# KiCad board WeatherStation.kicad_pcb
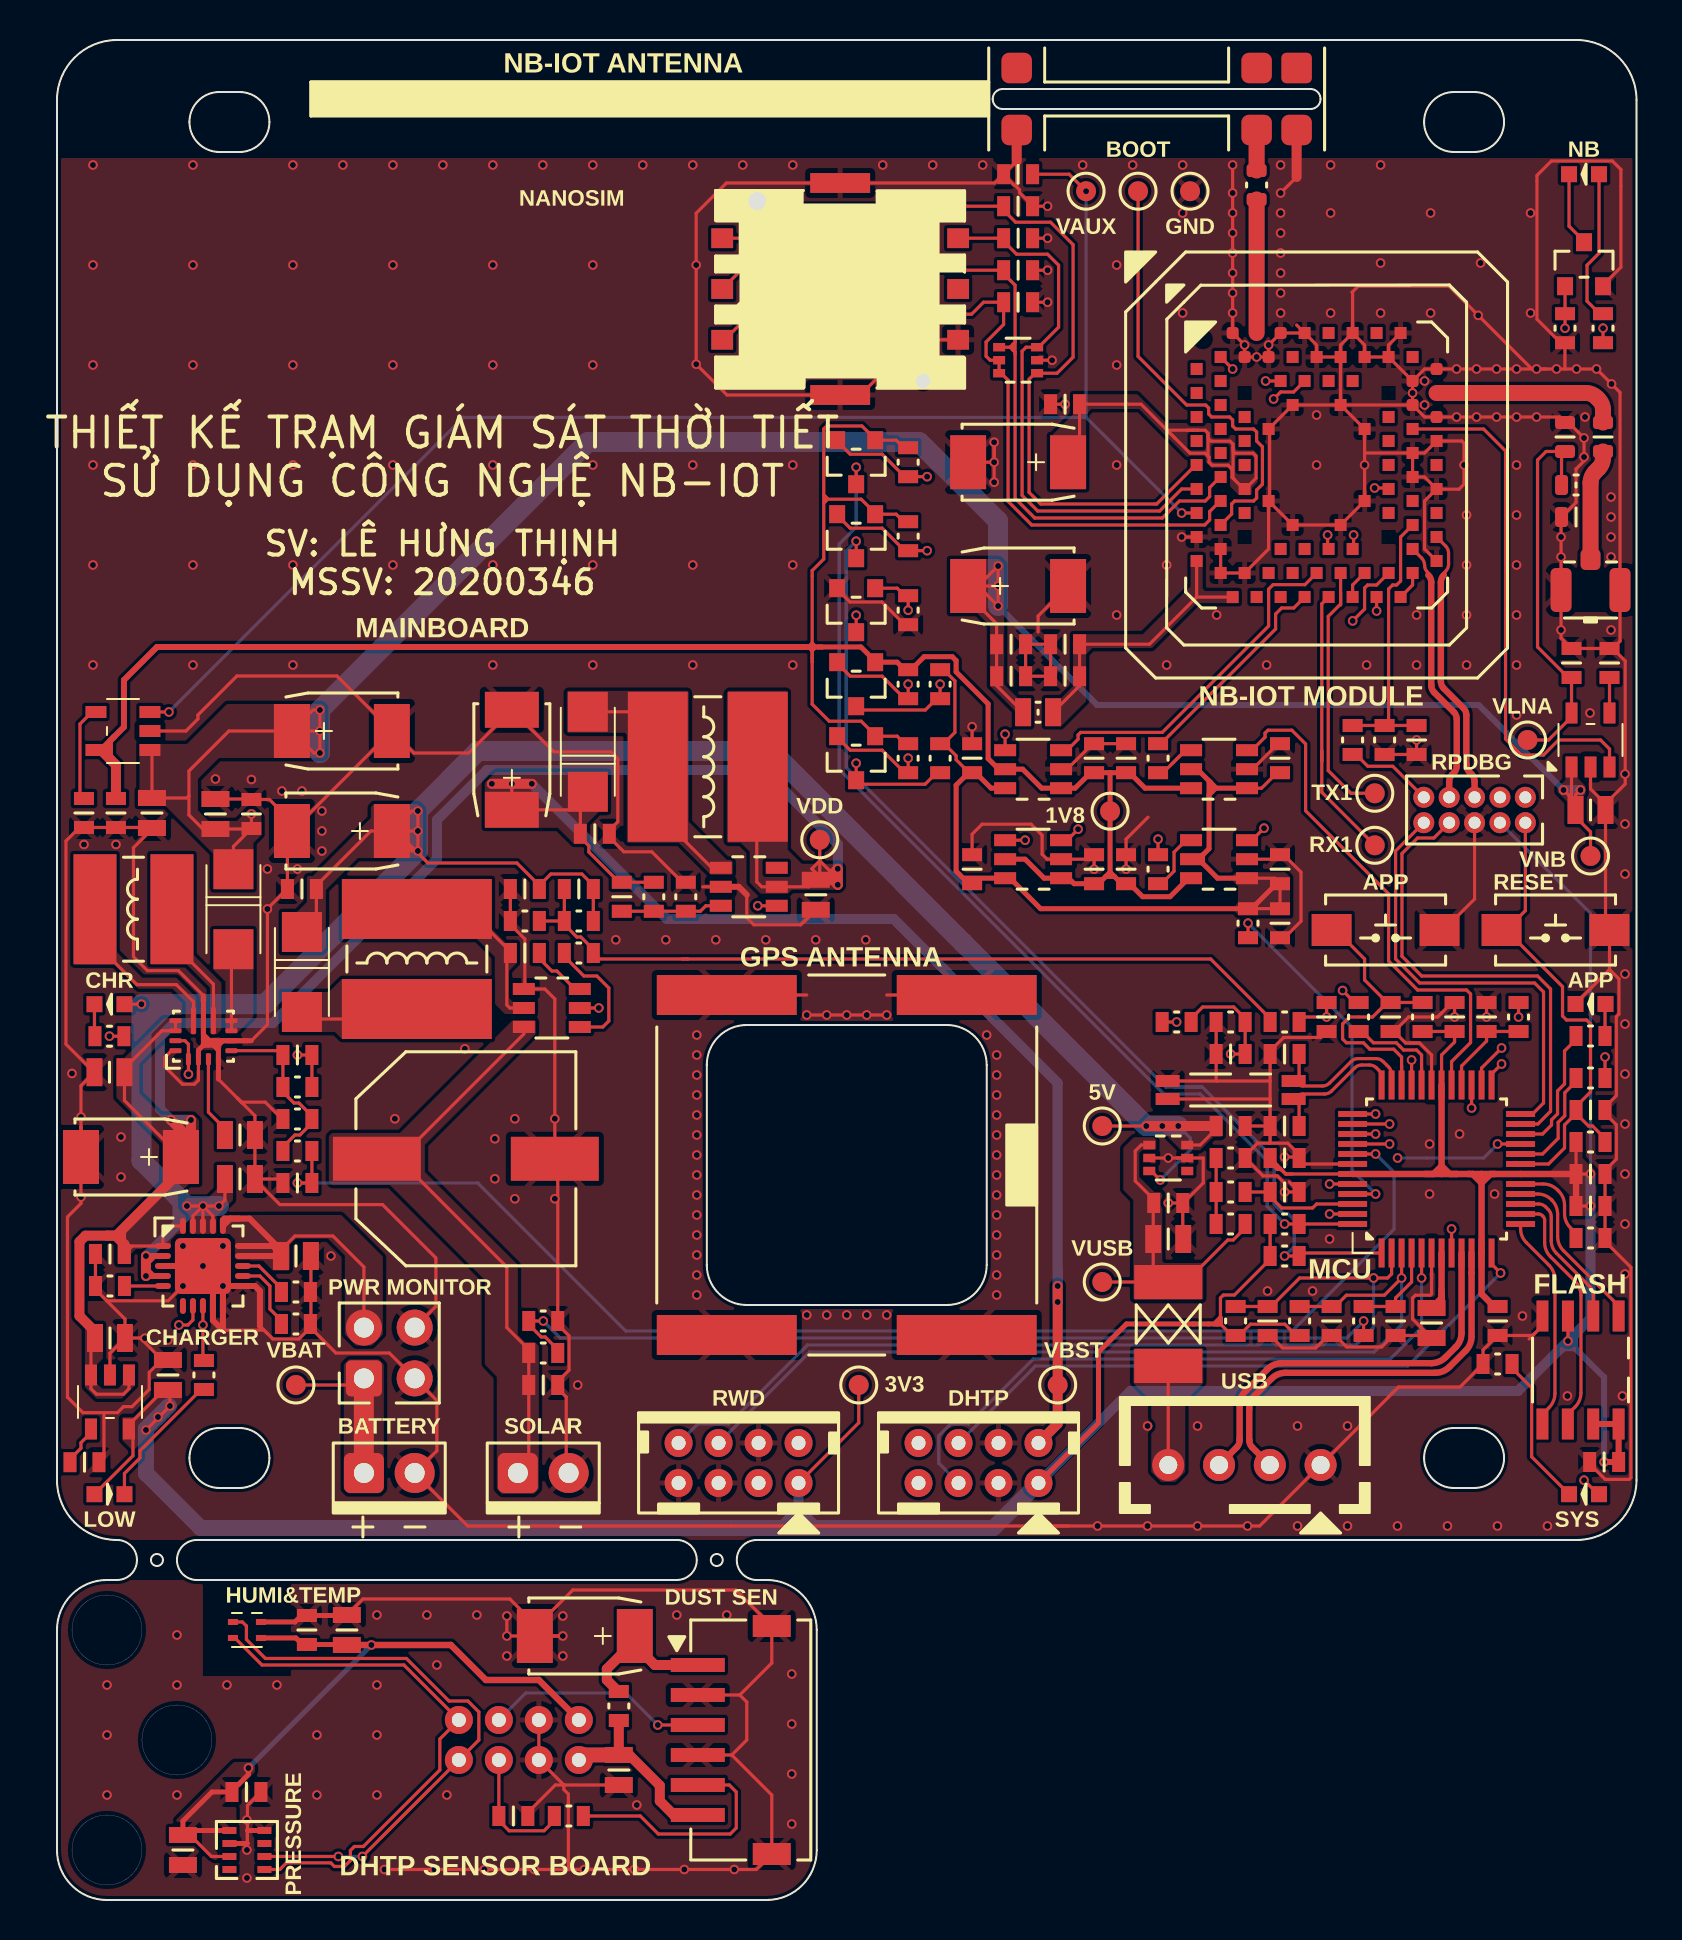
[diagram p0: board, top side]
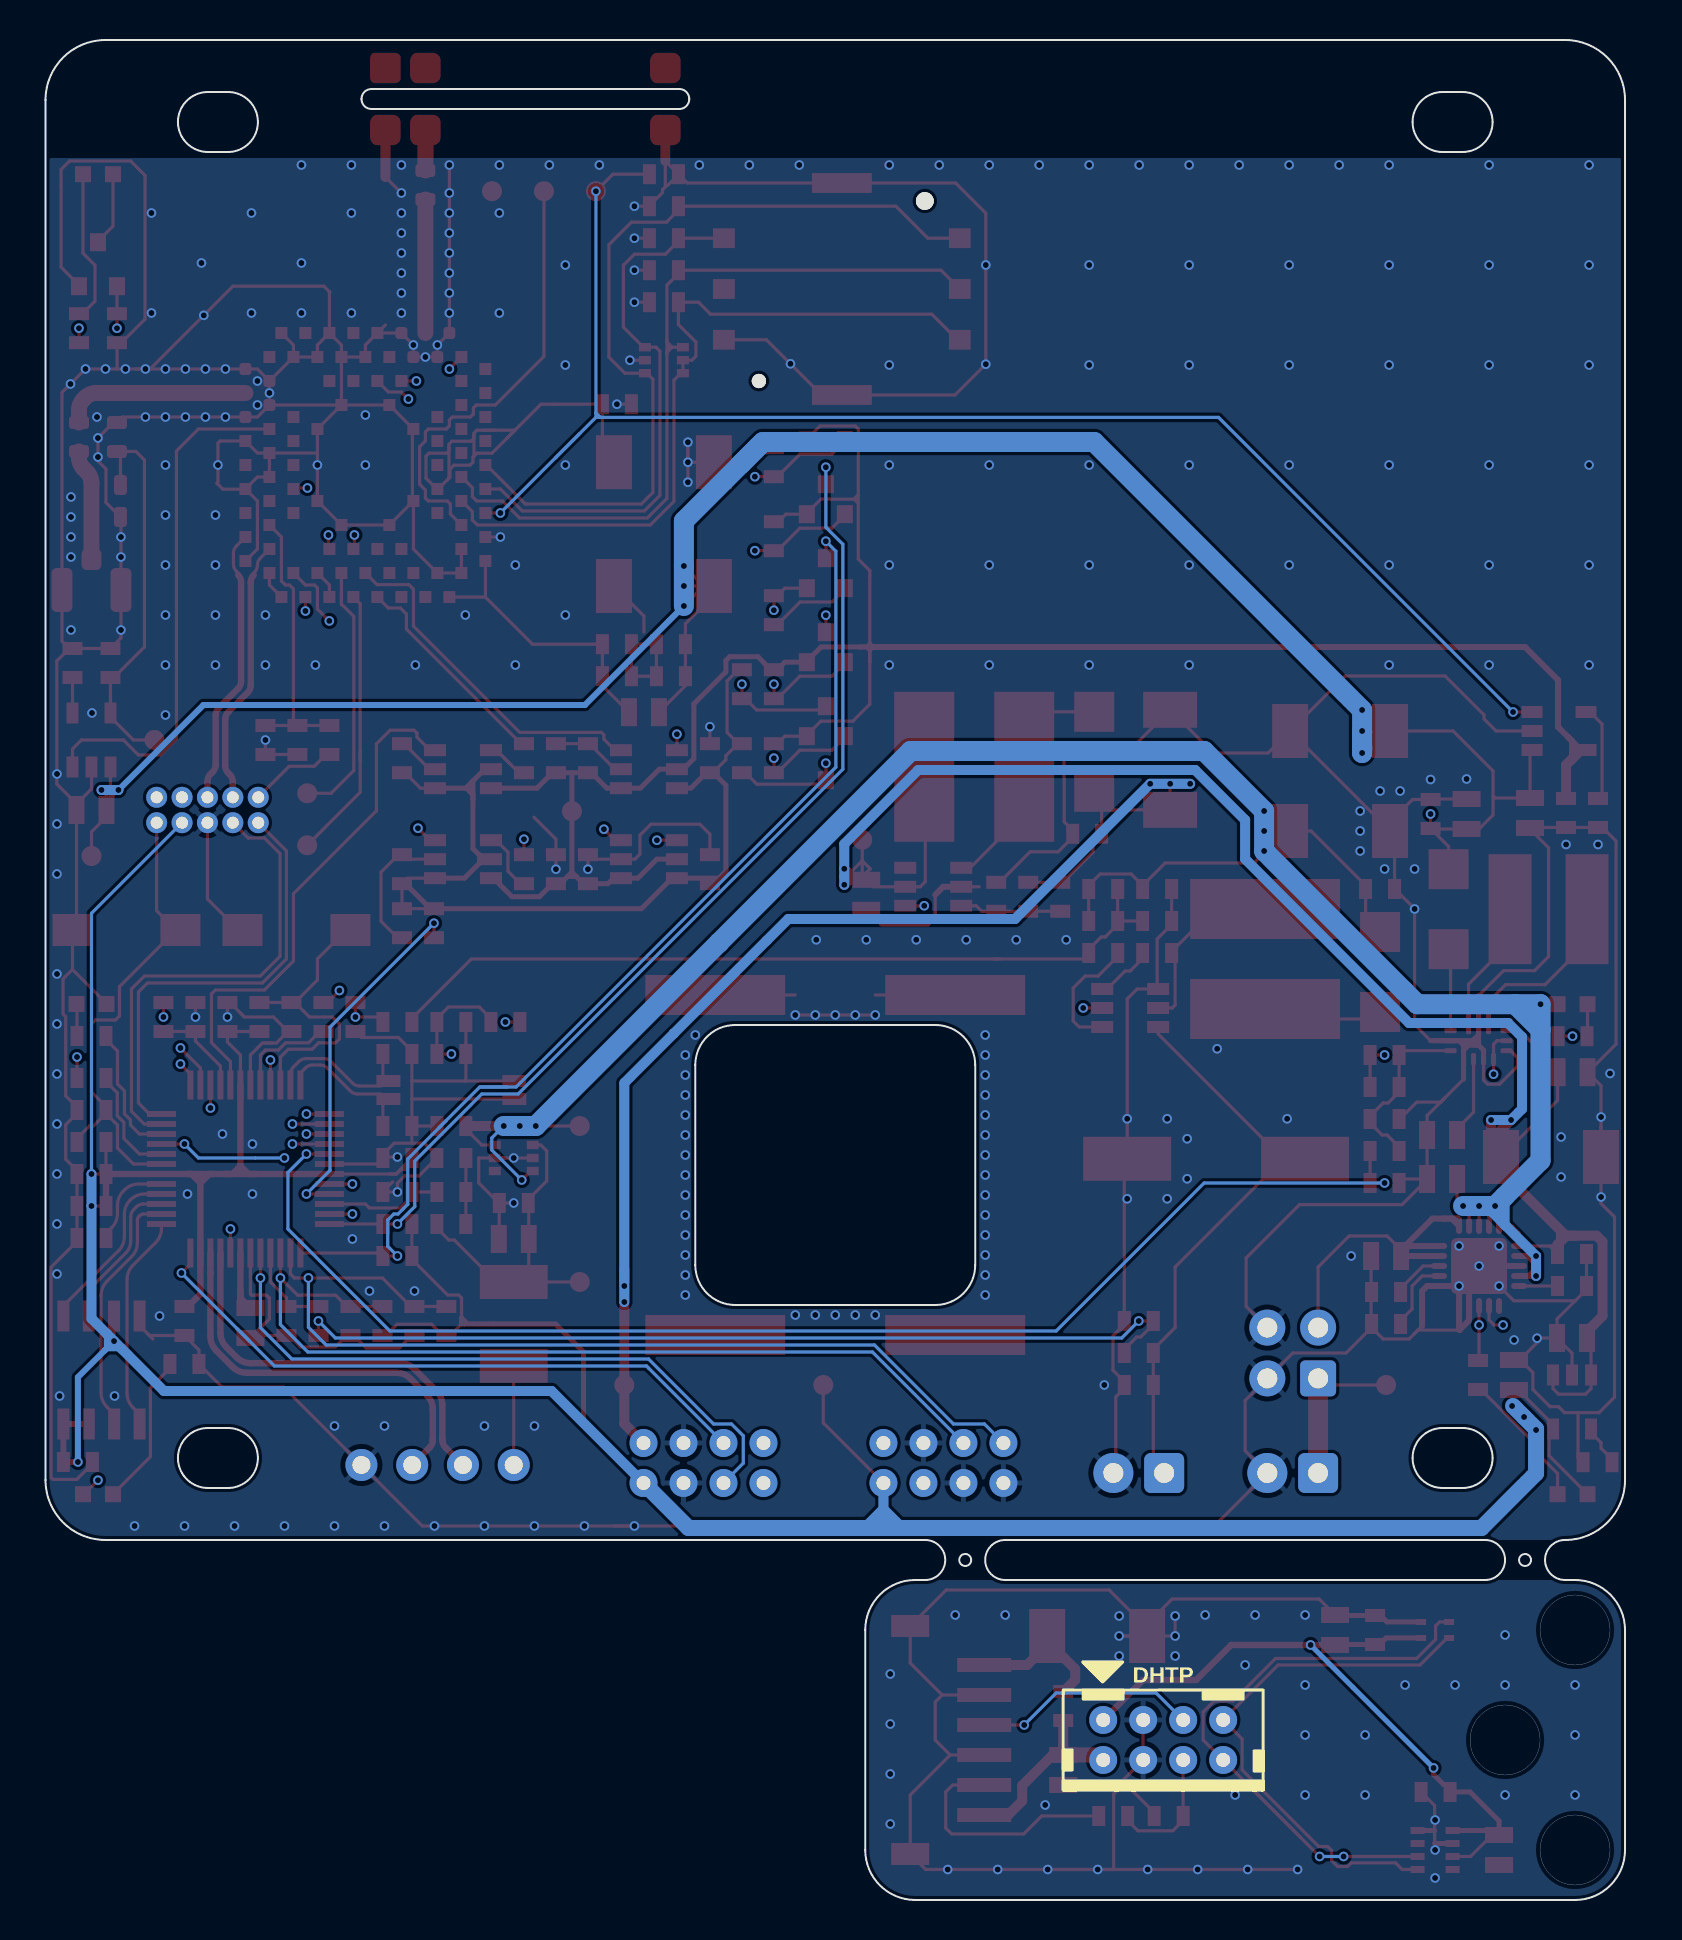
[diagram p1: board, bottom side, seen from below]

Outline 79 x 93 mm; copper layers: Top, In1.Cu, In2.Cu, Bottom. Coordinates in mm from the lower left corner of the outline.
Outline path: circle c2.5,13.5 r1.75 ; circle c2.5,2.5 r1.75 ; circle c5,17 r0.3 ; circle c6,8 r1.75 ; circle c33,17 r0.3 ; 0,90 arc(0.88,92.12) 3,93 76,93 arc(78.12,92.12) 79,90 79,21 arc(78.12,18.88) 76,18 35,18 arc(34,17) 35,16 35.5,16 arc(37.27,15.27) 38,13.5 38,2.5 arc(37.27,0.73) 35.5,0 2.5,0 arc(0.73,0.73) 0,2.5 0,13.5 arc(0.73,15.27) 2.5,16 3,16 arc(4,17) 3,18 arc(0.88,18.88) 0,21 0,90 ; 6.62,88.9 arc(7.06,89.96) 8.12,90.4 9.12,90.4 arc(10.19,89.96) 10.62,88.9 arc(10.19,87.84) 9.13,87.4 8.12,87.4 arc(7.06,87.84) 6.62,88.9 ; 6.62,22.1 arc(7.06,23.16) 8.12,23.6 9.12,23.6 arc(10.19,23.16) 10.62,22.1 arc(10.19,21.04) 9.13,20.6 8.12,20.6 arc(7.06,21.04) 6.62,22.1 ; 7,18 31,18 arc(32,17) 31,16 7,16 arc(6,17) 7,18 ; 32.5,41.75 32.5,31.75 arc(33.09,30.34) 34.5,29.75 44.5,29.75 arc(45.91,30.34) 46.5,31.75 46.5,41.75 arc(45.91,43.17) 44.5,43.75 34.5,43.75 arc(33.09,43.17) 32.5,41.75 ; 46.8,90.05 arc(46.95,90.4) 47.3,90.55 62.7,90.55 arc(63.05,90.4) 63.2,90.05 arc(63.05,89.7) 62.7,89.55 47.3,89.55 arc(46.95,89.7) 46.8,90.05 ; 68.38,88.9 arc(68.81,89.96) 69.87,90.4 70.88,90.4 arc(71.94,89.96) 72.38,88.9 arc(71.94,87.84) 70.88,87.4 69.88,87.4 arc(68.81,87.84) 68.38,88.9 ; 68.38,22.1 arc(68.81,23.16) 69.87,23.6 70.88,23.6 arc(71.94,23.16) 72.38,22.1 arc(71.94,21.04) 70.88,20.6 69.88,20.6 arc(68.81,21.04) 68.38,22.1
Stack: Top 0.035mm / dielectric 0.1mm FR4 er 4.5 / In1.Cu 0.035mm / dielectric 1.24mm FR4 er 4.5 / In2.Cu 0.035mm / dielectric 0.1mm FR4 er 4.5 / Bottom 0.035mm

## Placement (name value [footprint] x y rotation side)
ANT1  0.9-1.8GHz  [AH3G.303]  55 91.6 180 top
ANT2  UFL  [U.FL]  76.7 65.5 180 top
BAT1  BATTERY  [PAD02_2.54TH]  16.62 21.35 0 top
BT1  RESET  [SW_SMD2_6.0x3.5]  74.95 48.5 0 top
BT2  APP  [SW_SMD2_6.0x3.5]  66.45 48.5 0 top
C1  100nF  [CAP0603]  24.32 25.75 0 top
C2  10uF  [CAP0805]  2.62 41.39 180 top
C3  10uF  [CAP0805]  9.15 38.25 0 top
C4  100pF  [CAP0603]  66.95 28.95 270 top
C5  470uF  [CAP_ELEC-10.3x10.3-DIA10]  20.45 37.06 0 top
C6  100nF  [CAP0603]  55.58 34.85 0 top
C7  10uF  [CAP0805]  55.58 33.05 0 top
C8  2.2uF  [CAP0603]  23.4 47.35 0 top
C9  100pF  [CAP0603]  61.4 35.4 0 top
C10  100pF  [CAP0603]  12.02 42.25 180 top
C11  100pF  [CAP0603]  26.1 50.55 180 top
C12  100nF  [CAP0603]  58.7 38.7 0 top
C13  100pF  [CAP0603]  12.02 35.85 180 top
C14  10uF  [CAP0805]  9.15 36.05 0 top
C15  100pF  [CAP0603]  63.5 44.15 270 top
C16  100nF  [CAP0603]  9.72 54.3 90 top
C17  100nF  [CAP0603]  12.25 50.55 180 top
C18  10uF  [CAP0805]  7.92 54.3 90 top
C19  220uF  [CAP2312-6032]  14.25 58.45 0 top
C20  220uF  [CAP2312-6032]  14.25 53.45 180 top
C21  10uF  [CAP0805]  11.95 32.2 0 top
C22  10uF  [CAP0805]  2.65 28.1 0 top
C23  100pF  [CAP0603]  58.7 42.3 180 top
C24  10uF  [CAP0805]  5.55 26.25 90 top
C25  100nF  [CAP0603]  2.65 32.3 180 top
C26  220uF  [CAP2312-6032]  3.7 37.15 180 top
C27  100nF  [CAP0603]  77.38 21.9 180 top
C28  8.2pF  [CAP0603]  61.4 42.3 180 top
C29  8.2pF  [CAP0603]  61.4 38.7 180 top
C30  10uF  [CAP0805]  68.75 28.85 270 top
C31  2.2uF  [CAP0603]  76.7 34.7 180 top
C32  22pF  [CAP0603]  76.7 39.5 0 top
C33  22pF  [CAP0603]  76.7 36.3 0 top
C34  100nF  [CAP0603]  61.4 37.1 0 top
C35  22pF  [CAP0603]  66.7 44.15 270 top
C36  2.2uF  [CAP0603]  69.9 44.15 90 top
C37  22pF  [CAP0603]  72.05 28.95 270 top
C38  22pF  [CAP0603]  48.07 83.09 0 top
C39  2.2uF  [CAP0603]  61.17 48.84 90 top
C40  22pF  [CAP0603]  48.07 84.69 0 top
C41  100nF  [CAP0603]  61.17 51.54 90 top
C42  100nF  [CAP0603]  45.77 51.54 90 top
C43  22pF  [CAP0603]  48.07 81.49 0 top
C44  2.2uF  [CAP0603]  48.07 79.89 180 top
C45  22pF  [CAP0603]  68 58 270 top
C46  100nF  [CAP0603]  53.47 51.54 90 top
C47  100nF  [CAP0603]  51.87 51.54 90 top
C48  22pF  [CAP0603]  50.42 74.79 180 top
C49  220uF  [CAP2312-6032]  48.07 71.89 180 top
C50  2.2uF  [CAP0603]  50.42 62.79 0 top
C51  22pF  [CAP0603]  48.07 86.29 180 top
C52  22pF  [CAP0603]  50.42 61.19 180 top
C53  22pF  [CAP0603#2]  77.32 73.15 270 top
C54  22pF  [CAP0603]  47.72 61.19 0 top
C55  2.2uF  [CAP0603]  47.72 62.79 180 top
C56  22pF  [CAP0603#2]  75.97 69.15 180 top
C57  220uF  [CAP2312-6032]  48.07 65.7 0 top
C58  100nF  [CAP0603]  23.4 50.55 180 top
C59  22pF  [CAP0603#2]  75.42 73.15 90 top
C60  2.2uF  [CAP0603]  75.75 61.85 270 top
C61  100nF  [CAP0603]  77.65 61.85 90 top  (not fitted)
C62  10uF  [CAP0805]  76.7 54.5 180 top
C63  10uF  [CAP0805]  28.1 6.5 270 top
C64  10uF  [CAP0805]  37.95 50.26 270 top
C65  220uF  [CAP2312-6032]  26.4 13.2 180 top
C66  100nF  [CAP0603]  12.5 13.5 90 top
C67  10uF  [CAP0805]  14.5 13.5 90 top
C68  100pF  [CAP0603]  28.25 50.16 270 top
C69  100pF  [CAP0603]  22.83 4.2 0 top
C70  100nF  [CAP0603]  26.9 53.31 0 top
C71  22pF  [CAP0603]  63.75 28.95 270 top
C72  220uF  [CAP2312-6032]  22.75 57.01 90 top
C73  22pF  [CAP0603]  60.55 28.95 270 top
C74  100nF  [CAP0603]  9.47 5.4 0 top
C75  10uF  [CAP0805]  6.3 2.5 270 top
C76  100nF  [CAP0603]  51.87 57.09 90 top  (not fitted)
C77  100nF  [CAP0603]  53.47 57.09 90 top  (not fitted)
C78  100nF  [CAP0603]  45.77 57.09 90 top  (not fitted)
C79  100nF  [CAP0603]  61.17 57.09 90 top  (not fitted)
C80  10uF  [CAP0805]  4.75 54.35 90 top
C81  100nF  [CAP0603]  1.37 21.89 0 top  (not fitted)
C82  100nF  [CAP0603]  1.35 54.35 270 top  (not fitted)
C83  2.2uF  [CAP0603]  2.95 54.35 90 top
C84  100pF  [CAP0603]  71.5 44.15 90 top
D1  2A/0.5VF  [DO-214AC]  8.82 49.54 90 top
D2  2A/0.5VF  [DO-214AC]  12.25 46.4 90 top
D3  LOW  [LED0603]  2.62 20.29 180 top
D4  CHR  [LED0603]  2.62 44.79 0 top
D5  APP  [LED0603]  76.7 44.8 0 top
D6  TVS-5CH  [SOT363]  48.07 76.99 90 top
D7  NB  [LED0603]  76.37 86.29 0 top
D8  2A/0.5VF  [DO-214AC]  26.55 57.41 270 top
D9  SYS  [LED0603]  76.37 20.29 0 top
F1  750mA/6.3V  [FUSE1812]  55.58 28.8 90 top
FT1  100R@100MHz  [IND0805]  49.07 59.39 180 top
J1  USB  [HDM-4x2.54-TH]  59.39 21.75 180 top
J2  SOLAR  [PAD02_2.54TH]  24.32 21.35 0 top
J3  PWR MONITOR  [DIL04_2.54_MTH]  16.62 27.35 90 top
J4  RPDBG  [DIL10_1.27_MTH]  70.9 54.5 180 top
J5  NANOSIM  [SIM8051-6-0-14-01-A_GCT]  39.17 80.55 270 top
J6  DHTP  [HDM-2x4x2.0-TH-RA#2]  23.1 8 180 bottom
J7  DHTP  [HDM-2x4x2.0-TH-RA#2]  46.09 21.85 180 top
J8  RWD  [HDM-2x4x2.0-TH-RA]  34.09 21.85 180 top
L1  2.2uH/3A  [IND5852]  3.82 49.54 90 top
L2  10uH/3A  [IND7870]  18 47.05 0 top
L3  47nH  [IND0603]  75.97 70.75 180 top
L4  10uH/3A  [IND7870]  32.55 56.66 270 top
MD1  NB-IoT MODULE  [xE310]  63 71.75 0 top
MD2  GPS ACTIVE ANTENNA  [1575R-A]  39.5 36.75 90 top
Q1  30V/3.6A  [SOT23]  76.37 81.79 0 top
Q2  30V/3.6A  [SOT23]  39.97 64.49 180 top
Q3  30V/3.6A  [SOT23]  39.97 60.79 180 top  (not fitted)
Q4  30V/3.6A  [SOT23]  39.97 57.09 180 top  (not fitted)
Q5  30V/3.6A  [SOT23]  39.97 71.89 180 top  (not fitted)
Q6  30V/3.6A  [SOT23]  39.97 68.19 180 top  (not fitted)
R1  1K  [RES0603]  65.35 28.95 270 top
R2  5.1K, 1%  [RES0603]  24.32 27.35 180 top
R3  10K, 1%  [RES0603]  24.32 28.95 0 top
R4  10K, 1%  [RES0603]  58.7 37.1 0 top
R5  5.1K, 1%  [RES0603]  58.7 33.8 0 top
R6  1K  [RES0603]  58.7 35.4 180 top
R7  75K, 1%  [RES0603]  26.1 47.35 180 top
R8  36K, 1%  [RES0603]  12.02 40.65 180 top
R9  10K, 1%  [RES0603]  12.02 39.05 180 top
R10  1K  [RES0603]  12.02 37.45 180 top
R11  53.6K, 1%  [RES0603]  26.1 48.95 180 top
R12  10K, 1%  [RES0603]  23.4 48.95 180 top
R13  1K  [RES0603]  61.4 43.9 180 top
R14  1K  [RES0603]  7.35 26.25 90 top
R15  1K  [RES0603]  2.62 43.19 180 top
R16  10K, 1%  [RES0603]  11.95 30.4 0 top
R17  100K, 1%  [RES0603]  11.95 28.8 0 top
R18  10K, 1%  [RES0603]  2.65 30.7 180 top
R19  680K, 1%  [RES0603]  56 43.9 0 top
R20  10K, 1%  [RES0603]  58.7 43.9 180 top
R21  0R  [RES0603]  76.7 33.1 180 top
R22  10K, 1%  [RES0603]  76.7 37.9 0 top
R23  5.1K, 1%  [RES0603]  61.4 33.8 180 top
R24  5.1K, 1%  [RES0603]  61.4 32.2 180 top
R25  10K, 1%  [RES0603]  68.3 44.15 90 top
R26  1K  [RES0603]  76.7 43.2 0 top
R27  0R  [RES0603]  59.57 48.84 90 top
R28  1K  [RES0603]  76.7 41.1 180 top
R29  0R  [RES0603]  64.8 58 90 top
R30  10K, 1%  [RES0603]  66.4 58 270 top
R31  1K  [RES0603]  55.07 51.54 270 top
R32  1K  [RES0603]  77.32 78.59 90 top
R33  150R  [RES0603]  28.1 9.7 90 top
R34  75K, 1%  [RES0603]  29.85 50.16 270 top
R35  10K, 1%  [RES0603]  31.45 50.16 90 top
R36  1K  [RES0603]  25.6 4.2 0 top
R37  150K, 1%  [RES0603]  62.15 28.95 90 top
R38  150K, 1%  [RES0603]  58.95 28.95 90 top
R39  1K  [RES0603]  55.07 57.09 270 top  (not fitted)
R40  1K  [RES0603]  65.1 44.15 270 top  (not fitted)
R41  100K, 1%  [RES0603]  75.42 78.59 90 top
R42  100K, 1%  [RES0603]  42.57 64.49 90 top
R43  100K, 1%  [RES0603]  42.57 60.79 90 top  (not fitted)
R44  100K, 1%  [RES0603]  42.57 57.09 90 top  (not fitted)
R45  100K, 1%  [RES0603]  44.17 60.79 90 top  (not fitted)
R46  100K, 1%  [RES0603]  44.17 57.09 90 top  (not fitted)
R47  5.1K, 1%  [RES0603]  42.57 68.19 90 top  (not fitted)
R48  5.1K, 1%  [RES0603]  42.57 71.89 90 top  (not fitted)
R49  1K  [RES0603]  73.1 44.15 90 top
R50  1K  [RES0603]  72.05 26.8 180 top
TP1  VUSB  [TP1MM]  52.28 30.9 0 top
TP2  VNB  [TP1MM]  76.7 52.2 0 top
TP3  5V  [TP1MM]  52.28 38.7 0 top
TP4  3V3  [TP1MM]  40.1 25.75 0 top
TP5  VBAT  [TP1MM]  11.95 25.75 0 top
TP6  GND  [TP1MM]  56.67 85.44 0 top
TP7  VDD  [TP1MM]  38.15 53.01 0 top
TP8  1V8  [TP1MM]  52.67 54.44 0 top
TP9  VLNA  [TP1MM]  73.55 58 0 top
TP10  VBST  [TP1MM]  50.05 25.75 0 top
TP11  TX1  [TP1MM]  65.91 55.34 0 top
TP12  RX1  [TP1MM]  65.91 52.74 0 top
TP13  BOOT  [TP1MM]  54.07 85.44 0 top
TP14  VAUX  [TP1MM]  51.47 85.44 0 top
U1  BUCK 5V  [SOT-23-6_MCHP]  24.75 44.6 270 top
U2  BUCK-BOOST 3.8V  [PowerVQFN15_TI]  7.32 43.19 90 top
U3  IDEAL DIODE  [SOT363]  55.58 37.1 270 top
U4  CHARGER & PWR SWITCH  [VQFN20-4x4_MCHP]  7.3 31.7 0 top
U5  LDO 3.3V/300mA  [SOT25_DIODES]  2.65 24.9 180 top
U6  SPI Memory  [SOIC8_3.9_MCHP]  76.2 26.5 180 top
U7  PIC32MM MCU  [TQFP48-7x7_MCHP]  69 36.55 90 top
U8  LEVEL SHIFT 1-CH  [SOT-23-6_MCHP]  58.12 52.04 90 top
U9  LEVEL SHIFT 1-CH  [SOT-23-6_MCHP]  48.82 52.04 90 top
U10  LDO 3.3V/300mA  [SOT25_DIODES]  76.7 58 0 top
U11  DUST SENSOR CONNECTOR  [HDM-6x1.5-SMD-RA]  33.7 8 270 top
U12  HUMI & TEMP  [SHT4x]  9.5 13.5 0 top
U13  BOOST 5V  [SOT-23-6_MCHP]  34.6 50.66 270 top
U14  PRESSURE SENSOR  [DPS368]  9.5 2.5 0 top
U15  LEVEL SHIFT 1-CH  [SOT-23-6_MCHP]  48.82 56.54 90 top  (not fitted)
U16  LEVEL SHIFT 1-CH  [SOT-23-6_MCHP]  58.12 56.54 90 top  (not fitted)
U17  LDO 1.8V/300mA  [SOT25_DIODES]  3.3 58.45 90 top
X1  32.768kHz  [SMD4-7015]  58.7 40.5 180 top
Z1  0R  [RES0603#2]  60 85.75 90 top

## Library data of the parts
ANT1 = -: Description: ANTENNA SMD 2G/3G/4G 690~2700MHz; MFT: AntennaHome; MNP: AH3G.303; Price: 0; Stock Link: https://www.thegioiic.com/ah3g-303-ang-ten-smd-2g-3g-4g-690-2700mhz
ANT2 = -: Description: CONN U.FL RCPT STR 50 OHM SMD; MFT: Hirose; MNP: U.FL-R-SMT-1(40); Price: 0.070; Stock Link: https://www.thegioiic.com/cong-rf-1th-ipex-u-fl-r-smt-2-chan-dan-smd
BAT1 = -: Description: BATT LI-ION 3.7V 5AH 65x55x9.5MM; Price: 4.09; Stock Link: https://vn.shp.ee/jGCB1Gh; MFT: OEM; MNP: LC14500
BT1 BT2 = -: Description: SWITCH TACTILE SPST-NO 0.05A 12V; MFT: Panasonic; MNP: EVQ-PE105K; Price: 0.022; Stock Link: https://www.thegioiic.com/nut-nhan-3x6mm-cao-5mm-2-chan-smd-dau-trang
C1 C6 C12 C16 C17 C25 C27 C34 C41 C42 C46 C47 C58 C61 C66 C70 C74 C76-C79 C81 C82 = -: Description: CAP CER 0.1UF 25V X7R 0603; MNP: CL10B104KA8NNNC; Price: 0.0083; Stock Link: https://www.thegioiic.com/tu-gom-0603-100nf-0-1uf-25v; MFT: Samsung
C2 C3 C7 C14 C18 C21 C22 C24 C30 C62-C64 C67 C75 C80 = -: Description: CAP CER 10UF 16V X5R 0805; MNP: CL21A106KOQNNNE; Price: 0.017; Stock Link: https://www.thegioiic.com/tu-gom-0805-10uf-16v; MFT: Samsung
C4 C9-C11 C13 C15 C23 C68 C69 C84 = -: Description: CAP CER 100PF 50V C0G/NP0 0603; MNP: CL10C101JB8NNNC; Price: 0.0083; Stock Link: https://www.thegioiic.com/tu-gom-0603-100pf-50v; MFT: Samsung
C5 = -: Description: CAP ALUM 470UF 20% 25V SMD; MNP: UUD1E471MNL1GS; Price: 0.088; Stock Link: https://www.thegioiic.com/tu-nhom-smd-470uf-25v-10x10-5mm; MFT: Nichicon
C8 C31 C36 C39 C44 C50 C55 C60 C83 = -: Description: CAP CER 2.2UF 10V X7R 0603; MNP: CL10B225KP8NNNC; Price: 0.018; Stock Link: https://www.thegioiic.com/tu-gom-0603-2-2uf-10v; MFT: Samsung
C19 C20 C26 C49 C57 C65 C72 = -: Description: CAP ALUM 220UF 20% 6.3V SMD 2312; MNP: TAJC227K006RNJ; Price: 0.241; Stock Link: https://www.thegioiic.com/tu-tantalum-220uf-6-3v-2312-tajc227k006rnj; MFT: AVX
C28 C29 = -: Description: CAP CER 8.2PF 50V C0G/NP0 0603; MNP: CL10C8R2DB8NNNC; Price: 0.0083; Stock Link: https://www.thegioiic.com/tu-gom-0603-8-2pf-50v; MFT: Samsung
C32 C33 C35 C37 C38 C40 C43 C45 C48 C51-C54 C56 C59 C71 C73 = -: Description: CAP CER 22PF 50V C0G/NP0 0603; MNP: CL10C220JB8NFNC; Price: 0.0083; Stock Link: https://www.thegioiic.com/tu-gom-0603-22pf-50v; MFT: Samsung
D1 D2 D8 = -: Description: DIODE SCHOTTKY 60V 2A SMA; MNP: SS26; Price: 0.018; Stock Link: https://www.thegioiic.com/ss26-sma-diode-schottky-2a; MFT: MDD
D3 D9 = -: Description: LED RED DIFFUSED 0603 SMD; Price: 0.015; Stock Link: https://www.thegioiic.com/led-do-0603-dan-smd-trong-suot-harvatek; MFT: Harvatek; MNP: B1931USD-20D000814U1930
D4 = -: Description: LED GREEN DIFFUSED 0603 SMD; Price: 0.015; Stock Link: https://www.thegioiic.com/led-xanh-la-0603-dan-smd-trong-suot-harvatek; MFT: Harvatek; MNP: B1931NG--20D001114U1930
D5 = -: Description: LED ORANGE DIFFUSED 0603 SMD; Price: 0.015; Stock Link: https://www.thegioiic.com/led-cam-0603-dan-smd-trong-suot-harvatek; MFT: Harvatek; MNP: B1911UD--20D001014U1930
D6 = -: Description: TVS DIODE 5VWM 12.5V SC88/SC70-6; Price: 0.031; Stock Link: https://www.thegioiic.com/smf05c-esd-protection-diode-array-sot-363; MFT: Onsemi; MNP: SMF05CT1G
D7 = -: Description: LED BLUE DIFFUSED 0603 SMD; Price: 0.015; Stock Link: https://www.thegioiic.com/led-xanh-duong-0603-dan-smd-trong-suot-harvatek; MFT: Harvatek; MNP: E1221NB--05D000814U1930
F1 = -: Description: PTC RESET FUSE 24V 750MA 1812; MNP: MF-MSMF075/24-2; Price: 0.154; Stock Link: https://www.thegioiic.com/mf-msmf075-24-2-cau-chi-tu-phuc-hoi-1812-24v-0-75a; MFT: Bourns
FT1 = -: Description: FERRITE BEAD 100 OHM 0805 1LN; Price: 0.018; Stock Link: https://www.thegioiic.com/bk2125hs101-t-ferrite-beads-100-ohm-0805; MFT: Taiyo Yuden; MNP: BK2125HS101-T
J1 = -: Description: PIN HEADER TH 1x4POS 2.54MM; MFT: OEM; MNP: XH2.54-4P; Price: 0.013; Stock Link: https://www.thegioiic.com/dau-xh-2-54mm-4-chan-thang-xuyen-lo
J2 = -: Description: SOLAR CELL 3W 12V 145x145x3MM; MNP: SOLAR12V-3W-145x145x3; Price: 0; Stock Link: https://www.thegioiic.com/tam-nang-luong-mat-troi-3w-12v?gidzl=vgTtCKIHQ6Vdi7GrG8rWP-2pV3LOZ61Y-hL-PWYFPJkhjdmzNezaFFkoS6zLssrhfkqXQpYM3orbGfjYPW; MFT: OEM
J3 = -: Description: CONN HEADER R/A 2x2POS 2.54MM; Price: 0.110; Stock Link: https://www.thegioiic.com/hang-rao-duc-doi-2-54mm-80-chan-2-hang-cao-11-2mm-xuyen-lo-chan-ma-vang; MFT: Adam Tech; MNP: PH2-04-UA
J4 = -: Description: PIN HEADER, THR, DUAL ROW, 1.27; Price: 0.197; Stock Link: https://www.thegioiic.com/hang-rao-duc-doi-1-27mm-80-chan-2-hang-cao-7-2mm-xuyen-lo; MFT: METZ; MNP: PR20B05VBDN
J5 = -: Description: NANO SIM PUSH PULL, 6P, SMT, 1.3; Price: 0.154; Stock Link: https://www.thegioiic.com/ns-ol-6p-khay-cam-nanosim-6-chan-open-lock; MFT: GCT; MNP: SIM8051-6-0-14-01-A
J6-J8 = -: Description: CONN HEADER VERT 8POS 2MM; Price: 0.079; Stock Link: https://www.thegioiic.com/cong-dc3-8-chan-2-hang-2-0mm-chan-thang; MFT: Hirose; MNP: DF11-8DP-2DSA(08)
L1 = -: Description: FIXED IND 2.2UH 4.35A 31MOHM SMD 5852; Price: 0.044; Stock Link: https://www.thegioiic.com/cuon-cam-dan-smd-cd53-5852-2r2-2-2uh-3-5a; MFT: Bourns; MNP: SDE0604A-2R2M
L2 L4 = -: Description: FIXED IND 10UH 3.2A 70 MOHM SMD; Price: 0.044; Stock Link: https://www.thegioiic.com/cuon-cam-dan-smd-cd75-7855-100-10uh-2-3a; MFT: Bourns; MNP: SDE0805A-100M
L3 = -: Description: FIXED IND 47NH 380MA 700MOHM SMD 0603; Price: 0.018; Stock Link: https://www.thegioiic.com/hbls1608-47nj-cuon-cam-47nh-0603-380ma; MFT: HYHONGYEX; MNP: HBLS1608-47NJ
MD1 = -: Description: RF TXRX MODULE AT&T/VZW; Price: 0; Stock Link: https://www.digikey.com/en/products/detail/telit-cinterion/ME310G1WW05T060400/20484831; MFT: Telit; MNP: ME310G1WW05T060400
MD2 = -: Description: GPS ACTIVE ANT 19X19 IPEX CONNECTOR RF CABLE 10CM; MFT: AntennaHome; MNP: 1575R-A; Price: 1.053; Stock Link: https://www.thegioiic.com/1575r-a-ang-ten-active-gps-19x19-dau-ipex-cap-rf-10cm
Q1-Q6 = -: Description: MOSFET N-CH 30V 3.6A SOT23-3; Price: 0.022; Stock Link: https://www.thegioiic.com/si2300ds-mosfet-kenh-n-30v-3-6a-sot-23; MFT: Vishay; MNP: SI2300DS-T1-GE3
R1 R6 R10 R13-R15 R26 R28 R31 R32 R36 R39 R40 R49 R50 = -: Description: RES SMD 1K OHM 5% 1/10W 0603; MNP: AC0603JR-071KL; Price: 0.0014; Stock Link: https://www.thegioiic.com/dien-tro-1-kohm-0603-5-; MFT: YAGEO
R2 R5 R23 R24 R47 R48 = -: Description: RES SMD 5.1K OHM 1% 1/10W 0603; MNP: RC0603FR-075K1L; Price: 0.002; Stock Link: https://www.digikey.com/en/products/detail/yageo/RC0603FR-075K1L/727268; MFT: YAGEO
R3 R4 R9 R16 R18 R20 R22 R25 R30 R35 = -: Description: RES SMD 10K OHM 1% 1/10W 0603; MNP: RC0603FR-0710KL; Price: 0.002; Stock Link: https://www.thegioiic.com/dien-tro-10-kohm-0603-1-; MFT: YAGEO
R7 R34 = -: Description: RES SMD 75K OHM 1% 1/10W 0603; MNP: AC0603FR-0775KL; Price: 0.002; Stock Link: https://www.thegioiic.com/dien-tro-75-kohm-0603-1-; MFT: YAGEO
R8 = -: Description: RES SMD 36K OHM 1% 1/10W 0603; MNP: RT0603FRE0736KL; Price: 0.002; Stock Link: https://www.digikey.com/en/products/detail/yageo/RT0603FRE0736KL/1075328; MFT: YAGEO
R11 = -: Description: RES SMD 53.6K OHM 1% 1/10W 0603; MNP: RC0603FR-0753K6L; Price: 0.002; Stock Link: https://www.thegioiic.com/dien-tro-53-6-kohm-0603-1-; MFT: YAGEO; Note: Rt
R12 = -: Description: RES SMD 10K OHM 1% 1/10W 0603; MNP: RC0603FR-0710KL; Price: 0.002; Stock Link: https://www.thegioiic.com/dien-tro-10-kohm-0603-1-; MFT: YAGEO; Note: Rb
R17 R41-R46 = -: Description: RES SMD 100K OHM 1% 1/10W 0603; MNP: RC0603FR-07100KL; Price: 0.002; Stock Link: https://www.thegioiic.com/dien-tro-100-kohm-0603-1-; MFT: YAGEO
R19 = -: Description: RES SMD 680K OHM 1% 1/10W 0603; MNP: RC0603FR-07680KL; Price: 0.002; Stock Link: https://www.thegioiic.com/dien-tro-680-kohm-0603-1-; MFT: YAGEO
R21 R27 R29 Z1 = -: Description: RES SMD 0 OHM JUMPER 1/10W 0603; MNP: RC0603JR-070RL; Price: 0.002; Stock Link: https://www.thegioiic.com/dien-tro-0-ohm-0603-1-; MFT: YAGEO
R33 = -: Description: RES SMD 150 OHM 5% 1/10W 0603; MNP: RC0603JR-07150RL; Price: 0.0014; Stock Link: https://www.thegioiic.com/dien-tro-150-ohm-0603-5-; MFT: YAGEO
R37 R38 = -: Description: RES SMD 150K OHM 1% 1/10W 0603; MNP: RC0603FR-13150KL; Price: 0.002; Stock Link: https://www.thegioiic.com/dien-tro-150-kohm-0603-1-; MFT: YAGEO
U1 = -: Description: IC BUCK REG MULTI CONFIG ADJ SOT-23-6; MNP: MT1470; Price: 0.083; Stock Link: https://www.thegioiic.com/mt1470-ic-dieu-chinh-giam-ap-2a-sot-23-6; MFT: AEROSEMI
U2 = -: Description: IC REG BCK BST 5V 2A 15VQFN; Price: 1.89; Stock Link: https://www.digikey.com/en/products/detail/texas-instruments/TPS630701RNMR/6175215; MFT: TI; MNP: TPS630701RNMR
U3 = -: Description: IC OR CTRLR IDEAL DIODE SC70-6; MNP: LM66100DCKR; Price: 0.41; Stock Link: https://www.digikey.com/en/products/detail/texas-instruments/LM66100DCKR/10273183; MFT: TI
U4 = -: Description: IC BATT CHG LI-ION 1CELL 4.2V 20QFN; Price: 2.41; Stock Link: https://www.digikey.com/en/products/detail/microchip-technology/MCP73871T-2CCI-ML/1680976; MFT: Microchip; MNP: MCP73871T-2CCI/ML
U5 U10 = -: Description: IC REG LINEAR 3.3V 300MA SOT-753; MFT: Toshiba; MNP: TCR3UF33A,LM(CT; Price: 0.4; Stock Link: https://www.digikey.com/en/products/detail/toshiba-semiconductor-and-storage/TCR3UF33A-LM-CT/13913294
U6 = -: Description: IC FLASH 16MBIT SPI 50MHZ 8SOIC; Price: 0; Stock Link: https://www.digikey.com/en/products/detail/microchip-technology/SST25VF016B-50-4C-S2AF/2297794; MFT: Microchip; MNP: SST25VF016B-50-4C-S2AF